# KiCad board Rogelio Pineda - connect 4 AMLDC-2044B.kicad_pcb (continued)
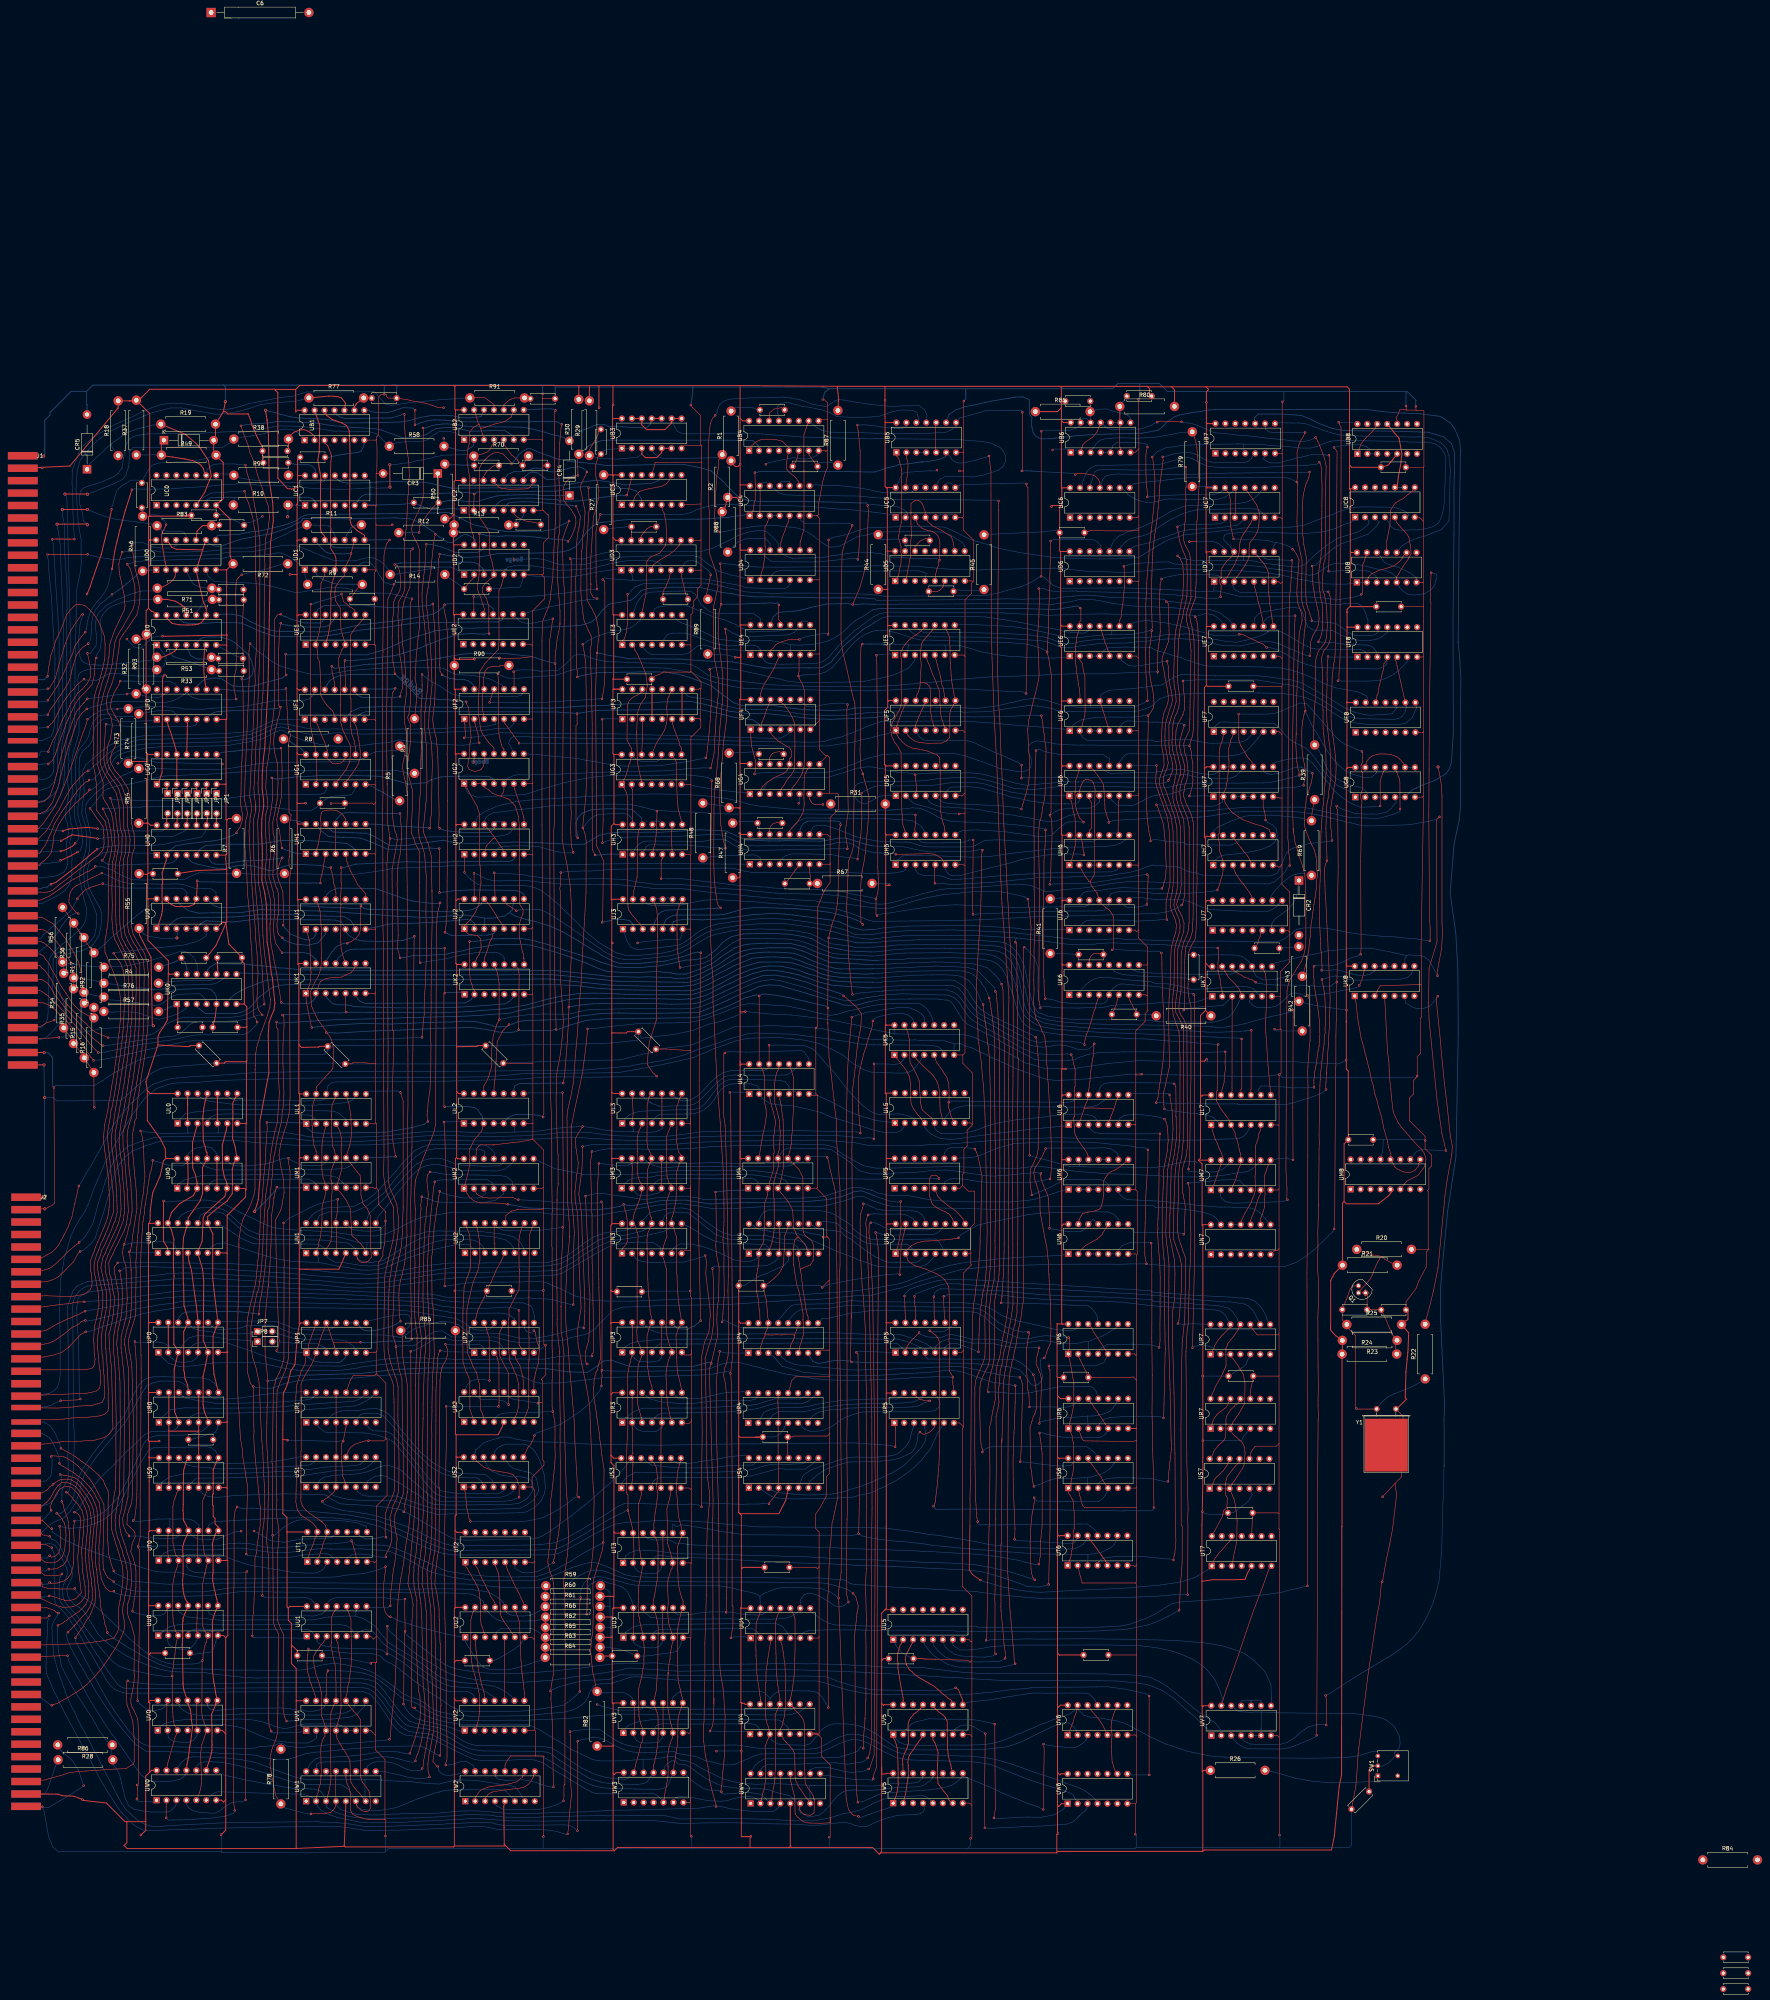
[diagram p0: board, top side]
## Routing (per net, layer and track width the routed paths; a pad name or vN(x,y) marks a point on that pad's centre or on a via; arc(x,y) is an arc through that point) (continued)
  Top w0.25: UD0.13 113.23,369.01 113.83,368 114.98,367.5 121.73,367.35 ; 121.73,367.35 UD0.9 ; 121.73,367.35 121.28,365.95 120.53,363.6 120.39,362.63 UD0.5 121.88,354.15 122.43,352.9 122.58,352.35 122.64,352.29 122.64,350.67 122.03,349.6 121.43,348.8 120.68,348.4 119.93,348.25 119.18,348.2 118.03,348.15 115.88,348.2 113.93,348.55 112.48,350 112.48,350.67
  Bottom w0.2: UD0.9 123.11,369.18 123.83,368.73 124.33,368.54 125.49,368.14 126.22,368.28 129.13,369.26 131.42,370.06 136.57,371.06 139.14,371.45 142.82,372.7 144.39,373.39 145.53,374.02 145.94,374.17 146.52,374.31 147.14,374.9 147.34,375.31 151.28,375.44 151.84,375.43 156.65,375.3 157.61,375.31 158.29,375.25 170.97,375.53 173.42,375.35 174.7,375.33 176.31,374.62 178.27,373.52 179.26,372.93 179.89,372.46 180.71,371.99 v1(181.19,371.34) 182.35,370.54 184.33,369.3 185.55,369.26 186.35,369.81 187.78,370.91 188.63,371.33 189.45,371.16 190.35,370.74 191.4,369.87 UD2.13 ; v1(179.71,296.25) 178.93,296.4 175.02,296.63 174.08,296.71 173.44,296.71 171.63,296.66 169.12,296.96 167.31,297.15 166.34,297.27 164.16,297.31 163.61,297.61 UH1.8
D0p10: length 12.3
  Top w0.25: R83.2 122.19,373.52 122.14,373.57 121.63,373.5 120.28,372.1 UD0.10
  Bottom w0.2: 123.83,373.8 125.68,373.8 125.73,373.85 124.37,373.85 R83.2 125.82,373.52 C20.2
D1p2: length 18.6
  Top w0.15: R9.2 162.36,358.53 161.19,357.36 160.58,356.5 C43.1
  Bottom w0.2: UD1.2 150.81,360.98 152.67,359.66 154.64,358.93 156.11,358.6 157.42,358.59 R9.2
D1p3: length 40.1
  Top w0.15: UF1.4 155.23,325.67 154.9,326.23 154.84,326.33 154.44,326.69 153.52,327.61 152.53,328.96 151.78,330.54 151.84,332.35 151.94,332.45 151.61,338.66 151.18,339.55 150.89,342.84 UE1.2 151.38,345.84 151.91,348.6 151.88,353.01 151.84,356 151.94,358.66 152.92,360.99 UD1.3
D1p10: length 6.3
  Bottom w0.2: R11.2 160.59,373.48 159.6,372.92 159.22,372.27 158.51,371.2 UD1.10
D1p13: length 76.8
  Top w0.15: 155.71,307.73 158.32,311.12 159.34,313.24 159.57,317.21 158.35,319.59 157.96,320.42 157.58,321.16 157.19,322.7 156.92,323.48 156.92,327.58 156.91,327.58 156.92,328 156.92,334.83 157,334.91 156.49,337.76 156.49,339.68 157.29,341.8 UE1.5 157.55,345.33 157.06,346.86 156.87,352.47 155.69,354.33 155.46,356.35 155.72,357.89 156.55,359.33 158,360.78 UD1.5 158.6,363.82 159.41,365.49 v1(159.62,366.42) UD1.9
  Bottom w0.2: v1(159.62,366.42) 158.68,366.37 158.07,366.33 156.9,366.33 154.79,366.4 154.39,366.43 153.37,366.7 152.88,367.12 152.14,367.77 151.4,368.63 UD1.13
D2p2: length 10.8
  Top w0.15: C44.1 190.07,359.3 191.07,360.3 UD2.2
  Bottom w0.15: C44.1 187.15,358.54 186.6,358.91 185.66,359.55 184.9,360.01 R14.2
D2p5: length 92.6
  Top w0.15: 195.03,339.57 193.79,338.25 192.53,336.28 192.22,328.8 192.19,328.06 192.19,324.93 192.35,324.49 192.74,321.57 193.16,320.47 194.69,318.26 196.15,316.71 UG2.11 ; 195.03,339.57 197.23,341.85 197.44,344.43 197.44,350.13 197.39,350.76 197.41,356.92 198.18,358.43 ; 195.03,339.57 195,339.43 ; 198.07,358.4 198.52,359.98 UD2.5
  Bottom w0.15: UD3.5 238.84,363.55 238.47,363.91 237.01,364.54 235.33,364.61 232.26,364.59 231.25,364.61 229.11,364.46 225.44,363.71 221.3,362.66 218.54,362.39 217.92,362.31 215.39,362.2 212.58,362.15 206.29,363.24 202.57,363.32 201.33,363.29 199.8,362.96 199.02,362.28 UD2.5
D2p12: length 627.7
  Top w0.15: 256.65,89.45 v1(256.7,89.47) 256.91,90.8 257.17,92.01 257.21,93.67 257.22,97.51 257,97.72 257,116.5 257.12,117.61 256.84,150.55 256.85,153.57 256.74,155.74 v1(256.6,157.02) 257.13,161.43 256.67,221.62 256.59,227.41 v1(256.41,228.79) ; v1(179.27,221.32) 179.06,223.06 179.2,223.91 ; v1(134.4,90) 134.5,93.81 134.49,94.43 134.72,96.07 134.87,99.37 134.91,100.98 134.97,102.63 135.07,104.36 135.07,109.63 135.49,111.26 135.75,113.97 135.92,114.91 136.09,116.33 136.42,118.08 136.45,123.1 136.21,124.39 136.07,126.62 136.03,126.97 135.41,132.89 135.17,135.06 135.1,136.34 134.96,136.99 134.77,140.78 134.84,142.16 134.79,144.19 v1(134.65,153.67) 133.94,154.38 133.71,155.29 133.17,157.37 133.04,169.32 133.17,170.89 133.91,174.66 134.26,175.83 135.21,179.98 135.43,181.5 135.83,185.85 136.01,187.02 136.28,191.92 136.36,193.27 136.41,195.42 136.45,196.99 136.63,199.85 136.88,201.01 137.32,206.97 137.43,208.16 137.65,210.31 137.78,211.17 137.87,214.54 137.98,216.29 138.16,218.82 138.23,219.44 v1(138.13,221.13) ; v1(178.86,368.84) 178.72,367.51 178.53,363.27 178.47,362.39 178.09,359.91 177.98,358.44 177.76,356.15 177.8,354.05 178.07,351.01 178.4,348.57 178.43,348.23 178.62,346.04 178.78,343.23 179.02,340.64 179.37,336.01 179.33,334.91 179.25,332.55 179.04,330.81 178.72,328.08 178.55,325.98 178.47,325.91 178.47,321.88 178.49,321.31 178.7,318.83 178.88,317.59 179.04,307.73 178.94,307.16 178.84,303.28 178.74,302.47 178.21,297.15 178.08,295.44 178.57,294.04 179.35,292.27 180.12,289.08 180.3,280.12 ; 180.32,280.44 180.32,279.85 180.36,272.6 180.26,267.94 180.08,253.63 180.11,251.94 179.94,242.84 180.06,240.95 179.98,232.86 179.77,229.16 179.35,226.45 179.18,223.83
  Bottom w0.15: v1(256.41,228.79) 257.05,228.87 257.52,228.85 260.94,228.85 261.03,228.94 261.37,228.6 UL4.1 ; 255.58,157.48 254.61,157.32 253.24,157.1 251.9,156.83 249.3,156.61 247.87,156.58 237.28,156.28 234.82,156.21 224.18,155.97 220.46,155.44 212.79,154.58 211.96,154.58 210.3,154.55 208.14,154.46 206.12,154.96 203.7,156.11 201.38,156.92 199.07,157.08 195.45,157.21 188.34,157.31 182.44,157.26 179.6,157.22 175.05,156.95 173.39,156.89 172.18,156.78 165.18,156.36 162.05,155.91 156.74,155.7 151.37,155.55 146.65,155.23 145.55,155.02 142.46,154.36 140.08,153.44 138.7,153.14 135.38,153.47 v1(134.65,153.67) ; v1(134.4,90) 134.58,89.55 135.74,89.48 136.85,89.5 137.5,89.51 138.46,89.51 139.4,89.52 146.66,89.4 147.34,89.42 UU1.1 ; 255.49,157.48 256.05,157.53 v1(256.6,157.02) ; v1(256.7,89.47) 257.44,89.74 260.38,89.75 261.17,89.42 UU4.1
  Bottom w0.2: v1(179.27,221.32) 178.37,220.66 175.24,219.82 172.41,219.29 168.45,218.62 154.09,218.38 151.89,218.36 149.78,218.56 148.39,219.67 UL1.1 146.97,221 146.23,221.02 140.13,221.15 139.1,221.13 v1(138.13,221.13) ; UD2.12 193.5,367.62 192.96,367.26 192.28,366.85 191.71,366.67 190.76,366.69 189.5,366.63 188.24,366.69 186.29,366.7 182.78,368.08 181.6,368.38 180.1,368.76 179.39,368.76 v1(178.86,368.84)
D3p6: length 7.9
  Top w0.15: UD3.6 240.89,359.97 239.96,357.62 239.61,357.2 239.14,355.88 C27.1
D3p7: length 24.5
  Top w0.15: v1(251.51,361) 251.39,360.34 251.24,359.66 250.47,356.06 R89.2 ; C27.2 245.01,356.41 244.68,358.09 244.31,359.6 244.12,360.44 UD3.7
  Bottom w0.15: v1(251.51,361) 251.33,361.64 ; 251.33,361.64 251.33,361.58 ; 251.33,361.64 250.87,362.1 250.36,362.54 250.03,362.72 249.53,363.17 248.43,364.02 247.74,364.43 247.19,364.57 246.69,364.62 245.58,364.49 244.96,364.05 244.56,363.36 UD3.7
D3p10: length 11.2
  Top w0.15: UD3.10 243.42,368.47 242.38,367.26 240.63,365.98 238.65,364.84 236.88,363.58 UD3.4
D3p14: length 6.1
  Top w0.15: C25.2 236.28,373.34 235.12,372.65 ; UD3.14 233.76,370.94 235.2,372.7
D3p15: length 10.6
  Top w0.15: UD3.15 231.22,370.77 231.27,371.15 C25.1
  Bottom w0.15: R27.1 226.84,372.92 228.79,373.1 230.04,373.25 C25.1
D4p1: length 67
  Top w0.15: 191.03,313.09 v1(190.98,313.09) 190.98,313.03 191.03,313.09 ; 191.03,313.09 191.07,313.12 UG2.13
  Bottom w0.15: UG2.13 191.07,313.18 v1(190.98,313.09) ; v1(201.29,364.91) 203.49,364.91 203.76,364.95 204.03,364.99 207.05,365.14 208.92,364.89 211.07,364.16 213.41,363.5 219.37,363.55 222.27,364.43 226,365.1 227.69,365.48 237.62,365.84 239.06,365.81 245.37,365.85 246.95,365.92 248.79,365.42 249.91,364.47 251.48,363.28 253.5,361.89 257.09,360.84 258.33,360.63 259.3,360.31 259.7,360.18 261.23,360.06 UD4.1
D4p3: length 43.3
  Bottom w0.15: 292.32,361.92 290.07,361.85 269.03,362.03 268.01,361.7 267.01,360.85 UD4.3 ; 292.32,361.92 304.65,362.02 306.03,361.58 306.54,361.33 306.57,361.02 306.28,359.4 ; 292.32,361.92 292.38,361.93
D4p12: length 14.3
  Bottom w0.15: UD4.12 266.71,368.91 266.11,369.64 265.51,370.15 264.2,370.28 263.38,370.3 262.29,370.3 260.57,370.22 258.71,369.52 257.82,368.82 257.49,368.36 R88.1
D4p13: length 74.4
  Top w0.15: v1(289.01,399.23) 289.31,396.84 289.72,392.4 289.68,375.54 289.68,372.13 289.39,366.88 v1(289.12,364.9)
  Bottom w0.15: UB5.13 301.54,398.86 300.89,398.55 300.45,398.4 299.89,398.32 298.41,398.41 296.17,398.65 294.61,398.78 293.12,399.1 292.44,399.14 290.7,399.31 289.96,399.26 289.28,399.23 v1(289.01,399.23) ; UD4.13 264.85,366.59 265.2,366.15 265.6,365.48 266.95,364.49 268.59,364.32 272.41,364.3 278.75,364.25 286.78,365.07 287.54,365.08 288.47,365.13 288.48,365.1 288.82,365.07 289,364.9 v1(289.12,364.9)
D5p6: length 5.8
  Top w0.15: UD5.6 311,359.05 310.88,357.85 310.05,357.07 310.05,357.04 309.54,356.78 309.35,356.76 308.66,356.76 308.65,356.75 C24.2
D5p7: length 10.5
  Bottom w0.15: UD5.7 313.9,357.07 C24.1 314.52,357.17 315.68,357.01 316.61,357.03 317.52,356.95 321.18,356.95
D5p14: length 5.8
  Top w0.15: C40.1 306.53,370.26 305.4,369.82 304.85,369.43 304.42,368.95 304.04,368.5 303.74,368.19 UD5.14
D5p15: length 10.5
  Bottom w0.15: 293.73,370.32 295.27,369.99 299.12,370.1 C40.2 301.8,368.76 UD5.15
D6p8: length 31.7
  Bottom w0.15: 381.22,372.98 382.27,373.1 383.01,373.21 384.41,373.41 385.28,373.52 385.79,373.52 386.72,374.11 386.92,374.33 387.14,374.51 387.54,374.91 UC7.4 ; 381.22,372.98 381.26,372.98 ; 381.22,372.98 377.11,372.72 373.93,372.5 373.09,372.38 371.51,372.05 370.11,371.5 368.01,370.72 366.23,370.22 364.6,369.5 363.31,369.1 361.83,368.77 360.64,368.46 359.63,368.18 359.1,367.82 UD6.8
D6p9: length 41.8
  Bottom w0.15: UC7.6 392.46,376.78 392.27,377.02 391.67,377.53 390.87,377.77 389.34,377.84 388.84,377.84 388.47,377.88 386.55,377.88 ; 386.55,377.88 386.68,377.89 ; 386.55,377.88 375.53,377.53 374.57,377.29 373.78,377.11 372.78,376.83 372.03,376.54 371.36,376.23 370.72,375.91 369.27,375.21 368.58,374.82 367.82,374.33 365.5,372.81 364.96,372.42 363.61,371.55 361.99,370.95 359.65,370.46 358.45,370.02 357.48,369.35 356.64,368.5 355.98,367.74 UD6.9
D6p10: length 45.2
  Bottom w0.15: 376.9,378.78 375.51,378.7 374.52,378.7 373.87,378.65 372.44,378.46 370.04,377.58 368.61,376.92 367.84,376.34 366.13,375.41 364.75,374.68 363.45,374 361.46,373.12 360.39,372.72 358.1,371.99 356.58,371.19 355.68,370.79 354.55,369.71 354.02,368.62 UD6.10 ; 376.9,378.78 384.66,379.07 386.12,379.17 388.09,379.46 390.2,380.37 390.84,380.95 391.38,381.39 391.61,381.67 392.14,382.41 UC7.9 ; 376.9,378.78 376.91,378.79 ; 360.57,372.76 360.53,372.72
D7p5: length 193
  Top w0.15: 400.41,295.19 400.35,296.16 ; 400.35,296.16 400.38,295.46 400.64,294 400.74,293.3 400.86,292.42 401.18,291.51 401.77,289.34 402.22,288.23 402.69,286.77 402.76,286.38 402.96,285.88 403.34,284.26 403.55,281.08 403.58,279.76 403.59,269.76 403.6,268.19 403.39,265.32 402.99,263.58 402.38,262.19 401.47,260.74 401.41,260.74 400.44,258.99 399.52,257.55 399.12,256.44 398.77,254.79 398.69,248.54 398.68,247.37 398.5,208.9 398.77,204.11 398.71,201.56 v1(398.89,201.38) ; 400.35,296.16 400.22,300.47 400.22,302.35 400.19,306.29 400.2,307.02 400.2,316.92 400.17,318.58 400.45,330.39 400.45,334.65 400.71,347.8 400.81,349.4 v1(400.84,350.56) ; UD7.5 390.51,357.8 390.67,357.2 390.96,356.02 391.3,354.77 391.38,354.2 391.69,353.09 391.9,352.46 392.02,351.9 392.27,350.53 392.45,350.03 392.53,349.66 392.61,348.91 UE7.9
  Bottom w0.15: UM7.2 381.76,202.48 381.99,201.88 382.95,200.96 383.99,200.63 385.08,200.49 396.83,200.84 397.68,200.89 v1(398.89,201.38) ; 400.62,350.56 v1(400.84,350.56) 400.16,350.43 394.6,350.43 394.14,350.2 393.76,350.03 393.18,349.42 392.78,348.94 UE7.9
D7p9: length 301
  Top w0.15: v1(399.47,286.71) 399.5,286.74 399.5,288.33 399.4,288.71 399.22,289.96 399.09,292.7 398.98,293.68 399.07,313.06 399.21,320.69 399.33,351.71 399.38,352.46 399.41,355.24 399.61,357 399.85,360.22 400.08,364.05 399.98,364.65 v1(400.02,364.69) ; 196.18,284.78 v1(196.2,284.87) 196.32,282.56 196.42,278.4 UJ2.11
  Bottom w0.15: UD7.9 392.44,365.98 392.99,365.29 393.74,364.91 394.31,364.86 399.19,364.7 399.95,364.69 v1(400.02,364.69) ; v1(399.47,286.71) 399.2,286.71 398.2,285.09 397.78,284.55 395.54,282.55 393.95,282.06 393.08,282.05 382.97,282.17 382.04,282.23 379.4,282.26 378.82,282.19 378.46,282.21 376.28,282.21 374.75,282.15 359.77,282.66 358.22,282.62 356.21,282.42 353.14,282.01 351.79,281.74 347.7,281.12 346.03,280.9 341.52,280.53 339.73,280.29 337.26,279.98 333.24,281.66 330.88,281.93 329.3,281.96 325.55,281.75 324.32,281.58 322.43,281.41 321.73,281.38 321.43,281.35 319.75,281.19 318.73,281.07 313.65,280.84 312.45,280.86 309.71,280.51 308.23,280.16 305.66,279.54 304.32,279.09 302.62,278.65 300.85,278.11 298.72,277.49 297.13,277.12 295.4,276.87 294.9,276.88 294.27,276.88 292.5,277.07 291.55,277.25 290.38,277.64 289.72,277.76 287.98,278.12 286.63,278.59 284.89,278.93 281.18,279.3 276.91,279.44 270.57,279.59 270.53,279.55 268.17,279.69 266.71,279.8 262.62,280.18 261.02,280.46 258.79,280.66 256.97,280.7 252.25,281.06 251.43,281.21 248.42,281.51 247.68,281.6 246.42,281.67 243.76,281.88 241.63,281.96 239.94,281.97 237.59,281.84 236.5,282.04 232.52,282.57 230.31,283.04 229.37,283.19 223.28,283.39 214.69,283.24 212.56,283.35 210.36,283.43 209.33,283.5 205.09,284.06 203.46,284.42 199.2,284.68 198.05,284.7 197.32,284.68 v1(196.2,284.87)
DATA0: length 174.2
  Top w0.15: UL4.11 268.84,234.75 268.38,233.76 267.96,232.05 267.85,231.01 267.85,230.32 267.91,226.02 268.35,224.54 268.87,222.51 269.06,221.55 269.15,220.12 269.12,220.09 269.26,218.8 269.34,218 269.26,217.47 269.1,214.41 268.69,213.04 UM4.11 268.91,211.03 268.82,209.9 268.37,208.44 268.07,207.25 267.89,206.64 267.72,206.15 267.68,205.83 267.47,203.59 267.72,201.49 267.75,199.57 267.75,194.19 267.72,193.62 267.51,191.9 267.22,190.76 267.12,190.11 266.66,188.99 UN4.3 ; v1(335.89,208.07) 335.82,207.7 335.93,206.68 336.47,205.24 336.98,203.9 337.45,202.99 337.66,202.34 337.82,201.69 338.13,195.26 v1(338.08,194.05)
  Bottom w0.15: UM4.11 270.08,214.14 271.35,214.57 279.43,214.46 280.3,214.46 282.4,214.14 285.8,211.88 ; 285.69,211.96 287.09,210.99 289.39,208.8 292.73,207.96 293.43,207.97 298.29,207.97 298.57,208.25 298.64,208.17 304.04,208.36 304.77,208.46 305.71,208.55 307.37,208.79 308.86,208.91 311.78,208.94 312.56,208.91 315.46,208.5 317.2,208.2 320.56,207.74 321.43,207.52 324.07,207.41 324.99,207.49 327.42,207.63 329.55,207.85 331.23,208.02 333.7,208.21 334.75,208.37 v1(335.89,208.07) ; UN4.3 266.26,189.19 265.49,189.96 260.62,190.1 259.57,190.08 258.79,190.08 256.64,190.08 255.65,190.08 252.17,190.94 250.87,191.67 249.81,192.12 246.37,194.28 245.64,194.65 244.96,194.95 UN3.8 ; UN6.11 349.48,196.23 349.09,196.23 UN6.12 348.01,194.79 346.91,193.7 346.52,193.45 345.88,193.28 344.64,193.18 343.09,193.23 343.07,193.26 341.6,193.39 340.69,193.62 339.41,193.76 338.75,193.9 v1(338.08,194.05)
DATA1: length 84.6
  Top w0.15: 264.12,170.57 264.04,173.1 263.9,173.33 263.67,175.97 263.24,178.1 263.13,180.46 263.2,181.85 263.32,182.44 263.56,183.77 263.76,184.63 263.9,187.53 UN4.2 263.83,188.46 264.92,190.21 265.1,191.92 265.15,192.66 265.19,193.48 265.23,198 265.18,198.48 265.21,199.01 265.37,200.66 266.06,202.57 UM4.3 266.69,204.84 266.53,205.75 267.56,209 267.57,213.2 267.74,213.37 267.69,214.4 267.63,214.66 267.63,217.62 267.75,218.3 268.11,221.33 267.49,223.91 267.08,225.29 266.6,227.48 UL4.3
  Bottom w0.15: UN4.2 263.41,186.47 262.71,185.98 261.71,185.67 260.74,185.55 259.04,185.75 257.33,186.07 255.04,187.25 251.65,188.67 249.03,189.52 247.17,189.91 246.35,190.09 244.51,190.05 243.94,190.17 242.82,189.66 241.84,188.8 UN3.6
DATA2: length 115.8
  Top w0.15: 274.44,183.38 274.01,186.23 UN4.6 ; UL4.10 272.22,234.28 272.36,233.68 272.7,232.64 272.7,224.92 272.52,222.12 272.42,219.16 272.18,217.35 272.13,215.78 271.74,213.75 UM4.10 272.06,211.04 272.82,210.39 274.02,209.16 275.07,207.14 275.12,201.62 275.12,195.23 275.09,195.2 275.16,193.13 275.68,192.19 277.36,190.89 277.8,189.72 277.74,186.98 277.68,185.92 277.68,185.81 276.95,184.66 275.41,184.1 274.55,183.65 274.48,183.33 274.69,182.1 275.09,178.33 275.52,175.95 275.86,173.44 276.03,172.84 276.15,172.03 276.42,171.45 UP4.10
  Bottom w0.15: UN3.10 239.72,197.24 240.44,197.72 240.99,197.99 242.02,198.26 242.92,198.2 244.19,198.2 245.68,197.99 247.31,196.82 250.6,194.15 251.02,193.86 252.68,192.56 255.88,191.32 258.75,191.18 262.28,191.15 263.41,191.22 266.25,191.11 268.28,190.44 270.86,190.23 272.5,190.13 273.75,189.26 UN4.6
DATA3: length 123.2
  Top w0.15: UL4.4 269.37,226.06 269.52,225.61 269.82,222.97 270.02,221.92 270.15,216.01 270.17,215.99 270.17,213.24 270.19,213.22 270.19,212.81 ; UN4.7 276.03,188.83 275.71,190.01 274.05,191.69 274.05,191.9 273.78,191.62 273.43,191.62 272.92,190.85 272.74,189.6 272.79,189.3 272.7,189.17 272.62,187.8 272.72,184.9 272.7,184.88 273.02,182.69 273.5,179.79 274.1,177.88 274.53,175.52 274.7,174.72 275,173.03 275.13,172.38 275.13,170.77 275.06,170.71 275.19,170.02 275.21,166.87 274.81,165.53 274.61,164.83 274.25,163.84 274.18,162.55 UP4.6 ; 270.19,213.14 270.1,212.56 270.17,209.87 269.52,206.63 269.22,205.32 UM4.4 269.44,203.17 269.82,202.77 271.33,200.83 271.91,199.87 272.47,198.64 272.64,195.92 272.57,195.64 272.68,194.28 273.28,192.95 273.37,192.59 273.93,191.77
  Bottom w0.15: UN4.7 276.17,189.25 274.8,190.63 273.62,191.1 273.14,191.2 269.88,191.31 268.68,191.47 267.28,191.83 265.84,192.2 264.78,192.26 256.53,192.33 254.74,192.98 253.62,193.48 251.08,195.23 249.1,196.76 246.34,198.87 245.07,199.12 244.13,199.27 240.83,199.16 239.44,198.83 238.04,198.58 236.96,198.31 236,198.05 233.94,195.86 UN3.12
DATA_IN_A: length 304.6
  Top w0.15: UT3.13 231.8,114.8 231.94,110.68 UT3.2 ; UT3.13 231.68,115.49 ; UT3.13 231.56,117.37 231.29,118.53 230.97,119.77 230.62,121.08 230.38,121.86 230.4,121.88 230.4,121.95 v1(230.35,122.01) 230.4,122.07 230.4,125.94 230.12,126.23 230.12,126.56 ; 231.44,161.46 231.13,160.7 230.99,159.96 230.82,159.41 230.51,157.98 230.44,157.41 230.28,156.69 230.28,148.51 230.3,148.43 230.37,143.52 230.14,138.84 229.99,134.09 230.04,132.47 230.08,126.56 230.12,126.56 ; 231.44,161.46 UP3.2 231.55,166.79 231.53,168.52 231.46,169.4 UP3.13 ; 231.44,161.46 231.35,161.12 ; 230.12,126.56 230.14,126.54 ; v1(130.51,122.93) 130.01,122.04 129.76,120.01 129.73,103.48 129.66,100.56 129.66,90.16 129.64,82.67 129.58,65.23 129.64,47.4 v1(129.94,45.38) ; UP3.5 239.08,163.68 238.86,163.9 UP3.10 ; UT3.5 239.35,112.08 239.31,114.01 UT3.10 ; 112.42,43.42 112.4,43.43 112.4,43.5 v1(112.39,43.52) 112.4,43.53 112.4,46.25 112.42,46.87 UW0.2
  Bottom w0.15: v1(112.39,43.52) 112.67,43.14 113.07,42.92 114.2,42.96 115.89,42.96 118.33,43.07 119.65,43.16 120.31,43.21 122.33,43.3 125.3,43.59 127.22,43.92 ; UP3.2 232.03,160.93 232.81,160.29 233.13,160.12 233.99,160.02 235.01,160 235.62,159.91 236.17,159.98 238.26,160.22 238.92,160.93 UP3.5 ; 127.22,43.92 127.28,43.92 ; 127.22,43.92 127.99,44.07 128.97,44.46 129.49,44.63 129.83,45.01 v1(129.94,45.38) ; v1(130.51,122.93) 131.53,122.57 132.55,122.57 134.36,122.62 135.6,122.57 137.18,122.35 141.04,122.26 143.47,122.04 145.25,122.06 146.52,122.06 148.64,121.83 154.65,121.3 159.12,120.84 163.43,120.04 166.31,119.5 169.05,118.42 171.46,117.37 173.44,116.47 175.56,115.51 177.18,114.78 179.06,113.87 180.5,113.26 181.43,112.91 183.38,112.25 184.86,111.87 189.3,111.82 190.33,111.85 193,111.9 195.3,111.84 201.15,111.95 202.93,111.88 205.34,111.92 206.7,111.91 211.69,112.1 213.56,112.77 214.69,113.33 215.79,114.02 216.29,114.3 217.33,114.89 218.2,115.41 219.27,116 220.61,116.83 221.75,117.5 224.07,118.87 225.83,119.88 227.47,120.71 228.76,121.34 229.47,121.68 229.6,121.9 v1(230.35,122.01) ; UT3.2 232.05,107.43 232.78,106.62 233.31,106.3 233.99,106.04 236.13,105.89 237.54,105.96 238.04,106.24 238.5,106.6 239.02,107.58 UT3.5
DATA_IN_B: length 548.5
  Top w0.15: 107.05,200.13 107.5,202.85 107.66,203.63 107.66,204.3 108.15,207.24 108.21,207.83 108.55,208.78 108.7,209.48 v1(108.99,211.45) ; UV0.13 112.58,73.27 112.58,72.18 112.54,69.6 112.46,66.99 112.46,66.19 UV0.2 ; 222.98,210.6 v1(222.95,210.65) 222.66,205.46 222.52,200.53 222.58,198.31 222.94,180.95 222.96,178.96 223.36,160.78 222.86,159.18 222.55,157.84 222.22,157.33 221.72,155.18 221.68,153.68 221.55,153.3 221.69,150.82 221.86,149.82 222.28,147.1 222.4,146.02 223.06,141.73 223.15,140.42 223.44,138.64 223.72,136.07 224.28,132.47 224.05,116.46 v1(224.05,113.84) 224.01,113.69 223.93,112 223.36,110.32 222.88,108.51 222.53,107.66 222.19,106.18 221.69,104.68 221.45,103.34 221.45,97.96 221.54,96.41 221.47,93.52 221.39,90.94 221.26,90.19 221.07,89.23 220.83,86 221,84.8 221.34,80.88 221.65,79.72 222.08,77.48 R82.2 ; 231.74,72.84 231.74,72.36 231.98,72.11 232.11,66.6 231.74,65.22 ; UT1.6 160.92,110.01 160.83,110.76 160.77,111.08 160.35,112.37 160.18,113.06 160.1,113.29 159.93,113.87 159.74,113.99 v1(159.76,114.32) 159.74,114.34 159.78,114.39 ; UV0.5 120.09,67.14 120.16,72.39 120.16,73.23 UV0.10 ; UM3.2 231.49,209.52 231.44,210.55 231.49,210.9 UM3.13 ; 239.36,72.84 239.36,65.22 ; v1(105.09,73.44) 105.1,75.66 105.16,77.37 105.24,78.61 105.51,85.73 105.47,88.17 105.61,95.95 105.68,102.21 105.58,112.01 105.24,112.34 v1(105.24,112.81) 105.77,115.28 105.75,126.27 105.88,130.87 105.94,146.91 105.94,150.65 105.96,150.67 105.96,153.27 106.01,153.32 106.01,158.1 105.99,158.11 105.99,161.69 105.96,161.73 105.92,164.44 105.88,165.13 105.88,167.29 105.88,167.94 105.84,183.9 105.81,184.83 105.94,187.01 105.97,187.93 106.24,192.81 106.4,193.72 106.37,194.96 106.48,195.7 106.64,196.97 106.87,197.97 106.93,199.51 107.08,200.27 ; UM3.5 238.98,210.3 239.04,210.36 238.98,210.42 UM3.10
  Top w0.25: UM0.2 118.01,206.45 117.95,210.36 UM0.13 ; UM0.10 UM0.5
  Bottom w0.15: UM3.2 232.88,202.58 235.25,202.36 238.02,203.06 238.37,203.22 UM3.5 ; 239.36,65.22 239.14,63.92 238.25,62.83 235.79,62.63 234.56,62.63 233.31,62.79 232.52,63.31 231.92,64.33 231.74,65.22 ; v1(108.99,211.45) 109.7,211.16 109.98,211.12 111.07,210.8 111.75,210.5 113.09,210.18 113.81,210.1 114.17,210.08 116.73,210.1 117.76,210.87 UM0.13 118.07,213.14 118.61,213.65 119.19,214.2 120.06,214.59 120.96,214.73 121.81,214.9 122.88,214.88 123.92,214.68 124.84,213.79 125.38,213.04 UM0.10 ; UV0.13 112.49,72.65 111.97,71.77 111.38,71.36 110.75,71.17 109.88,70.97 108.87,70.94 107.76,71.16 106.91,71.63 106.34,72.08 105.71,72.55 105.17,73.44 v1(105.09,73.44) ; 231.74,72.84 231.45,74.11 230.77,74.76 229.78,75.35 228.8,75.58 227.84,75.54 227.05,75.53 226.15,75.48 225.09,75.42 224.45,75.4 R82.2 ; UM3.13 231.21,210.59 230.48,210.19 227.73,210.14 226.54,210.28 226.02,210.24 224.39,210.51 223.43,210.65 v1(222.95,210.65) ; UV0.2 112.92,64.04 113.71,63.4 114.43,63.07 115.5,62.88 116.44,62.84 116.7,62.83 118.13,62.83 119.28,63.2 120.14,64.35 120.29,64.63 UV0.5 ; v1(105.24,112.81) 105.63,112.66 106.69,112.7 107.2,112.69 107.85,112.77 108.3,112.81 109.06,112.87 111.34,112.99 111.51,112.99 112.11,112.97 113.52,113 115.08,113.03 119.53,113.1 120.53,113.09 124.77,113.04 124.86,113.03 125.48,113.02 126.94,113.22 127.81,113.34 128.45,113.52 129.81,113.64 129.98,113.62 131.28,113.68 131.88,113.64 132.43,113.61 133.86,113.51 134.84,113.28 136.2,113 137.24,112.71 139.48,112.42 140.22,112.42 141.72,112.48 142.56,112.61 144.77,112.75 145.67,112.88 146.54,112.96 147.55,113.05 148.55,113.15 153.59,113.49 155.34,113.5 156.95,113.69 158.51,113.86 v1(159.76,114.32) 160.74,113.35 161.19,113.15 162.3,113.13 163.03,113.15 165.25,113.19 166.59,113.17 167.97,113.12 168.97,112.97 171.4,112.17 172.79,111.6 174.24,110.97 174.96,110.6 175.93,110.17 177.35,109.54 178.93,108.9 180.74,108.04 181.77,107.58 183,106.96 184.24,106.52 185.87,106.23 187.93,105.91 188.94,105.71 189.95,105.58 191.6,105.48 192.26,105.39 193.55,105.29 193.99,105.25 199.49,105.05 199.89,105.03 202.73,105.03 202.79,105.08 206.52,105.08 206.99,105.14 208.62,105.6 210.16,106.2 211.86,106.92 214.15,108.2 215.81,109.07 218.9,111.06 220.56,111.96 221.92,112.66 222.67,113.02 222.95,113.19 223.34,113.42 223.78,113.68 v1(224.05,113.84)
DATA_OUT_A: length 448.1
  Top w0.15: 214.28,52.11 214.28,69.39 214.38,82.29 214.27,97.84 214.23,102.25 v1(214.17,102.57) 213.84,103.34 214.96,110.88 215.19,114.81 215.16,116.27 214.91,123.07 214.83,125.08 214.72,125.98 214.66,126.37 214.16,143.27 213.84,155.46 213.91,157.93 213.98,160.53 214.03,161.98 213.62,165.83 213.3,167.96 213.3,174.03 213.26,174.07 213.3,174.11 213.3,183.83 213.44,186.39 213.6,189.22 213.69,190.73 213.8,193.96 213.91,198.61 v1(213.68,228.74) ; 214.28,52.11 214.04,51.87 214.04,49.15 v1(213.92,47.82) 214.04,47.91 ; 214.28,52.11 214.08,51.92 ; v1(287.9,100.84) 288.6,99.98 289.21,97.73 289.12,96.69 288.89,95.79 288.85,94.88 288.47,91.72 288.27,90.09 288.41,81.87 288.45,69 288.45,62.26 288.65,53.28 288.87,49.32 v1(289.12,47.48) ; UN2.4 196.37,190.1 196.2,190.27 196.2,195.23 UN2.13 ; v1(336.56,62.35) 336.74,61.01 v1(336.5,45.62)
  Bottom w0.15: UN2.13 196.86,194.29 198.47,193.61 199.49,193.53 200.28,193.48 200.73,193.54 203.15,193.5 206.04,193.53 207.78,193.55 208.75,193.7 210.82,193.91 211.43,194.01 212.51,194.17 v1(213.68,194.34) ; v1(336.5,45.62) 335.19,46.27 334.49,46.55 333.15,46.99 332.17,47.34 330.8,47.9 329.84,48.34 328.75,48.69 327.48,49.27 325.97,49.88 324.18,50.76 322.23,51.62 320.79,52.19 319.19,52.88 317.79,53.44 316.59,53.97 UW5.9 315.46,53.65 314.38,52.67 313.87,52.31 313.12,51.86 311.24,51.29 308.25,50.73 306,50.53 301.96,50.3 301.01,50.25 298.61,50.04 297.77,50.01 297.19,49.96 296.21,49.91 295.21,49.69 294.3,49.4 293.59,49.07 ; 293.59,49.07 293.64,49.1 ; 293.59,49.07 292.72,48.67 290.18,47.56 289.12,47.62 v1(289.12,47.48) ; v1(213.92,47.82) 213.32,47.42 212.27,46.89 210.39,46.24 207.71,45.68 198.54,45.69 197.45,46.23 196.94,46.5 196.52,46.89 UW2.4 ; 213.07,228.65 213.33,228.65 v1(213.68,228.74) ; v1(214.17,102.57) 214.17,102.63 216.71,104.67 218.55,105.7 220.35,106.49 221.78,106.77 223.2,106.72 224.09,106.58 225.28,106.2 227.23,105.38 229.58,104.7 232.53,103.9 276.1,103.63 277.69,103.55 279.62,103.52 280.82,103.4 282.39,103.12 285.29,102.25 286.91,101.64 287.4,101.16 v1(287.9,100.84) ; v1(336.56,62.35) 337.38,62.11 339.44,61.8 342.26,61.51 344.03,61.41 345.21,61.67 346.11,62.25 346.81,62.76 347.52,63.43 347.73,64.57 UV6.3 ; 213.11,228.65 205,228.65 UL2.8
DATIA: length 58.1
  Top w0.15: v1(82.18,325.25) 82.77,326.53 84.05,328.24 84.62,329.18 85.71,330.64 87.31,333.2 87.94,334.8 88.35,336.88 88.67,337.9 89.5,340.42 89.65,340.79 90.17,341.37 91.03,342.45 v1(92.5,343.39)
  Bottom w0.15: v1(82.18,325.25) J1.44 ; 97.8,355.32 96.9,354.51 96.56,354.27 95.6,353.59 95.16,352.96 94.91,352.62 94.37,352.05 93.74,350.68 93.36,348.76 93.32,346.97 93.11,344.47 v1(92.5,343.39)
  Bottom w0.2: 108.04,362.18 UD0.1 ; 108.04,362.18 106.6,362.18 R46.1 ; 108.04,362.18 107.38,362.15 106.25,362.4 104.83,360.82 100.82,357.5 100.36,357.17 99.81,356.77 v1(98.56,355.99) 98.56,355.83 97.8,355.32
DATIB: length 166.6
  Top w0.15: UB2.4 196.15,394.42 195.72,394.15 195.18,393.04 194.52,392.38 193.87,392.11 193.01,391.8 R70.1 ; v1(91.74,346.33) 90.69,345.15 90.08,344.2 89,342.69 88.51,340.85 87.31,338.42 86.48,336.48 85.62,334.64 84.55,332.49 82.19,328.94 v1(82.19,328.92)
  Top w0.25: 169.58,383.4 v2(169.58,383.35) v2(169.53,389.1) 169.58,389.05 ; v1(103.64,382.7) 103.12,381.04 101.94,377.36 100.92,373.59 100.57,372.53 100.31,371.41 99.85,369.56 99.24,366.9 v1(98.57,362.48)
  Bottom w0.15: v2(169.58,383.35) 169.18,383.35 168.89,383.15 167.6,383.15 166.27,383.1 165.06,383.22 156.29,382.72 156.17,382.84 149.76,383.04 141.14,383.85 138.86,383.85 136.59,383.82 134.32,384.06 133.09,384.18 130.96,384.22 127.18,383.96 125,383.82 123.45,383.61 119.49,383.34 117.84,383.24 115.08,383.08 114.43,382.94 114.21,382.96 109.98,382.87 108.31,382.83 106.9,382.88 106.11,382.87 104.25,382.92 v1(103.64,382.7) ; v1(82.19,328.92) 81.45,328.59 80.41,328.57 J1.42 ; v1(91.74,346.33) 92.01,347.08 92.38,349.41 92.99,351.38 93.61,352.59 94.6,353.96 95.69,355.16 96.5,356.22 97.44,357.92 98.25,361.16 v1(98.57,362.48) ; R70.1 189.33,391.68 185.13,391.57 183.24,391.54 182.72,391.4 181.15,391.11 179.94,390.75 179.13,390.62 177.93,390.31 177.9,390.34 176.33,390.08 174.64,389.62 172.31,389.36 171.23,389.15 170.92,389.1 v2(169.53,389.1)
DATIC: length 211.4
  Top w0.15: R91.1 191.99,406.29 192.96,406.29 193.73,406.26 194.61,405.63 196.15,404.46 UB2.11
  Top w0.2: 83.24,369.98 v1(83.3,370.04) 84.31,370.13 ; 88.97,370.06 88.96,370.06 v1(88.94,370.08) 88.93,370.06 87.98,370.06
  Top w0.25: 84.31,370.13 87.98,370.06
  Bottom w0.15: v1(83.3,370.04) 83.51,369.03 83.66,367.49 83.88,363.97 84.37,355.67 84.65,352.09 84.85,348.08 85.09,343.26 85.05,341.75 85,334.24 85.02,328.53 84.97,325.99 84.81,323.89 84.5,320.78 83.74,317.5 83.69,312.81 ; v1(88.94,370.08) 88.59,376.82 88.58,379.78 88.35,384.47 88.44,387.81 90.31,392.74 90.85,393.67 93.33,395.71 94.89,396.84 96.04,397.48 97.84,398.68 104.72,401.8 105.91,402.46 108.5,403.55 110.96,404.45 113.83,404.84 116.34,404.73 117.61,404.56 122.06,403.83 122.83,403.63 126.4,403.17 126.93,403.21 127.62,403.23 129.08,403.4 131.47,404.03 133.55,404.69 141.64,406.27 144.59,406.55 148.23,407.68 155.73,407.68 165.52,407.72 166.33,407.11 166.47,406.83 168.43,404.55 170.14,404.25 175.06,405.02 178.12,405.27 182.91,405.76 184.91,405.85 187.94,406.02 188.36,406.12 R91.1 ; J1.54 80.09,308.82 80.13,308.78 81.31,308.74 82.31,309.16 82.95,309.66 83.68,310.78 83.69,312.81 ; 83.69,312.81 83.69,313.74
